# KiCad board bitaxeUltra.kicad_pcb (continued)
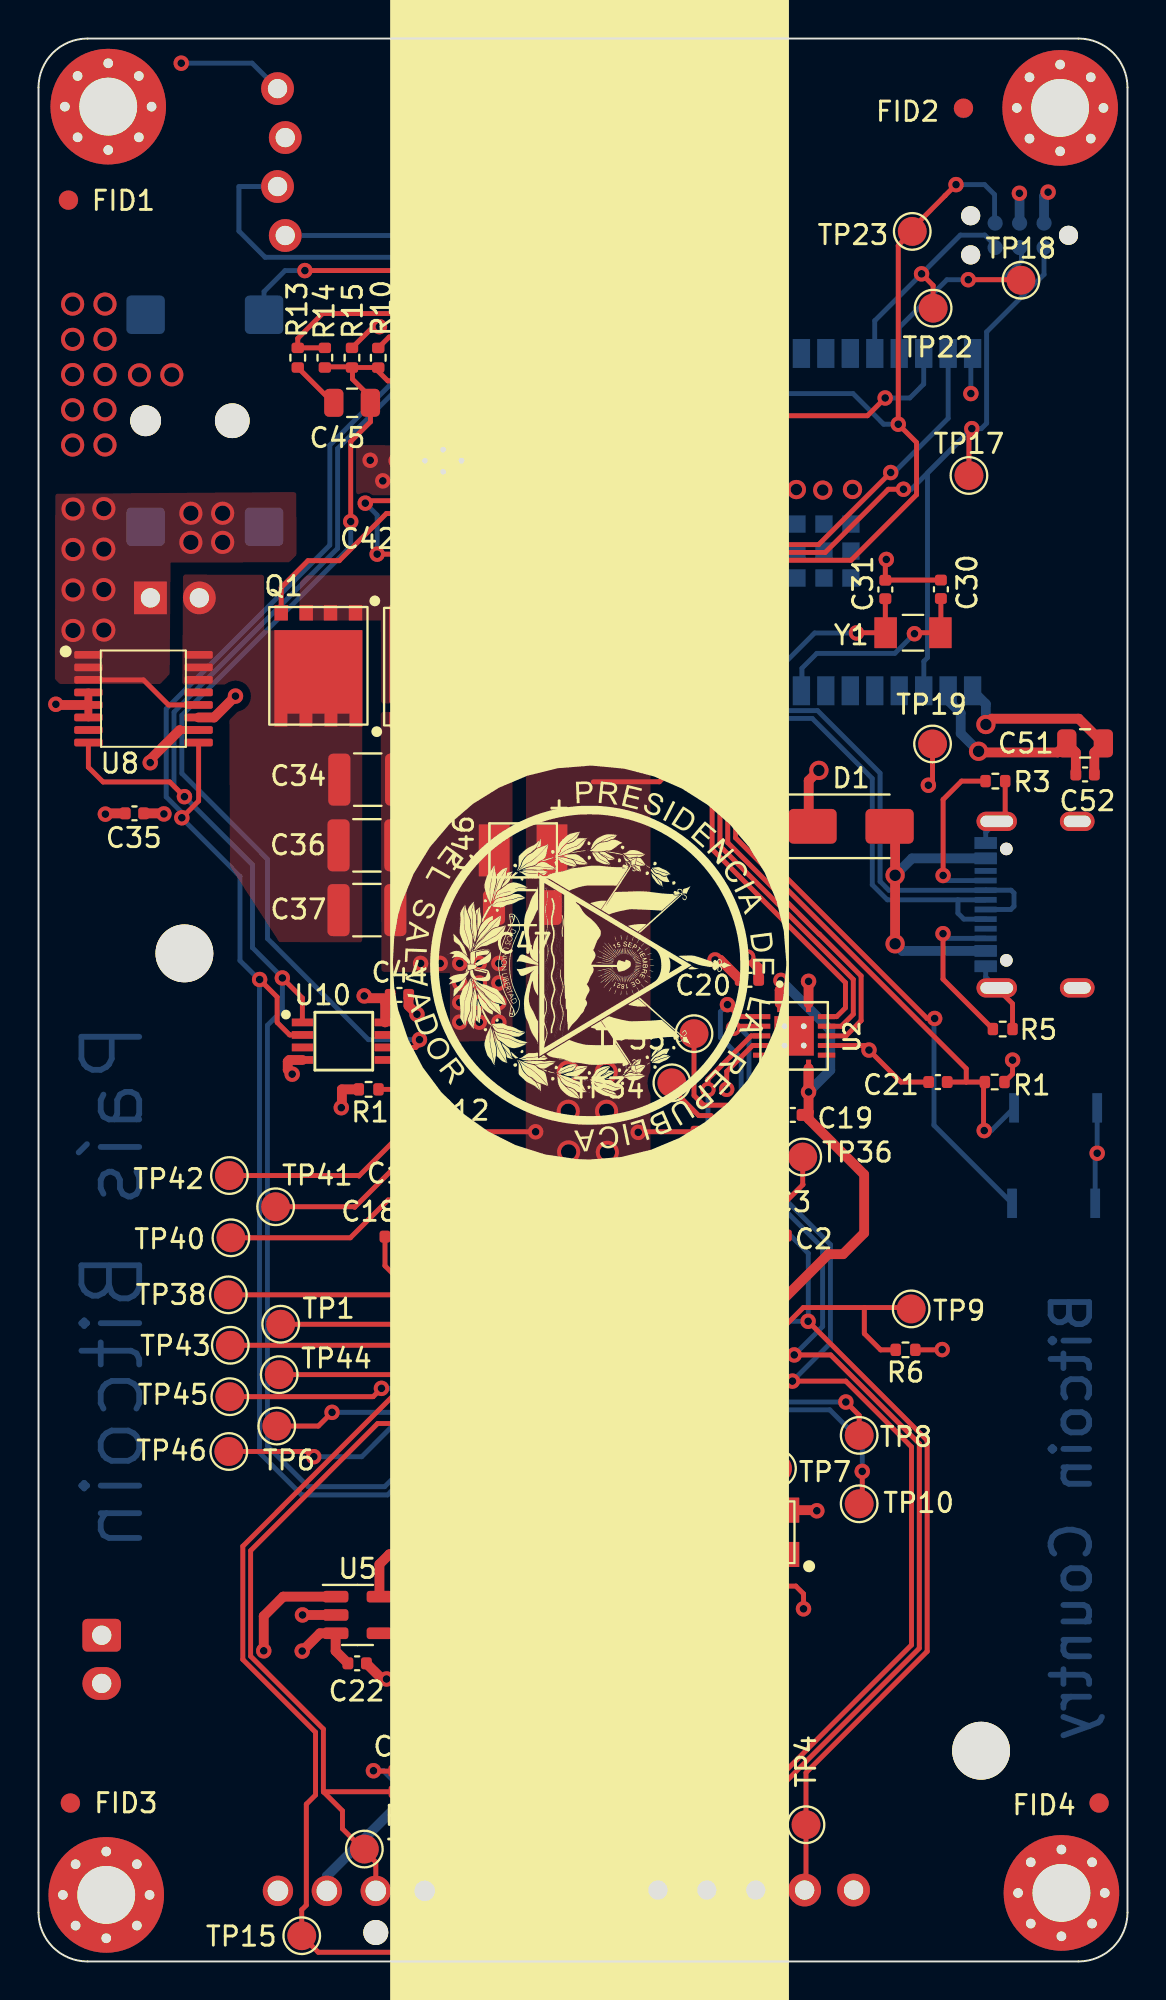
[diagram p0: board, top side]
## Footprints (pads in the part's own frame, mm; a bottom-side part is the same pattern mirrored in y, then rotated) (continued)
O 25,0-JO32-B-1V3-1-T1-LF
  rect 1.3x1.1 smd: 1(-1.15,-0.95) 2(1.15,-0.95) 3(1.15,0.95) 4(-1.15,0.95)
PinHeader_1x02_P2.54mm_Vertical
  rect 1.7x1.7 hole 1: 1(0,0)
  oval 1.7x1.7 hole 1: 2(0,-2.54)
PinHeader_1x04_P2.54mm_Vertical_shifted
  round 1.7 hole 1: 1(0.2,0)
  oval 1.7x1.7 hole 1: 2(-0.2,-2.54) 3(0.2,-5.08) 4(-0.2,-7.62)
PinHeader_1x05_P2.54mm_Vertical
  rect 1.7x1.7 hole 1: 1(0,0)
  oval 1.7x1.7 hole 1: 2(0,-2.54) 3(0,-5.08) 4(0,-7.62) 5(0,-10.16)
R_0402_1005Metric
  rrect 0.54x0.64 smd: 1(-0.51,0) 2(0.51,0)
RT9080-33GJ5
  rect 0.953x0.559 smd: 1(-1.378,0.94) 2(-1.378,0) 3(-1.378,-0.94) 4(1.378,-0.94) 5(1.378,0.94)
SC32S-7PF20PPM
  rect 1.168x1.6 smd: 1(-1.422,0) 2(1.422,0)
SOT-23-5
  rrect 1.325x0.6 smd: 1(-1.137,0.95) 2(-1.137,0) 3(-1.137,-0.95) 4(1.137,-0.95) 5(1.137,0.95)
SOT-323_SC-70
  rect 0.7x0.45 smd: 1(-1,0.65) 2(-1,-0.65) 3(1,0)
SW_CS1213AGF260_CRS
  rect 0.508x1.524 smd: 1(-2.159,0) 2(2.159,0)
Tag-Connect_TC2030-IDC-NL_2x03_P1.27mm_Vertical
  round 0.991 hole 0.991 unplated: (-2.54,0) (2.54,-1.016) (2.54,1.016)
  round 0.787 smd: 1(-1.27,-0.635) 2(-1.27,0.635) 3(0,-0.635) 4(0,0.635) 5(1.27,-0.635) 6(1.27,0.635)
TestPoint_Pad_D1.5mm
  round 1.5 smd: 1(0,0)
TPS40305
  rrect 0.6x0.24 smd: 1(-1.4,1) 2(-1.4,0.5) 3(-1.4,0) 4(-1.4,-0.5) 5(-1.4,-1) 6(1.4,-1) 7(1.4,-0.5) 8(1.4,0) 9(1.4,0.5) 10(1.4,1)
  round 0.4 hole 0.3: 11(-0.575,0) 11(0,0.95) 11(0,-0.95) 11(0.575,0)
  custom 1.651x3.401 smd: 11(0,0)
TSSOP-8_3x3mm_P0.65mm
  rect 1.1x0.4 smd: 1(-2.15,0.975) 2(-2.15,0.325) 3(-2.15,-0.325) 4(-2.15,-0.975) 5(2.15,-0.975) 6(2.15,-0.325) 7(2.15,0.325) 8(2.15,0.975)
TSSOP-16_4.4x5mm_P0.65mm
  rrect 1.475x0.4 smd: 1(-2.862,2.275) 2(-2.862,1.625) 3(-2.862,0.975) 4(-2.862,0.325) 5(-2.862,-0.325) 6(-2.862,-0.975) 7(-2.862,-1.625) 8(-2.862,-2.275) 9(2.862,-2.275) 10(2.862,-1.625) 11(2.862,-0.975) 12(2.862,-0.325) 13(2.862,0.325) 14(2.862,0.975) 15(2.862,1.625) 16(2.862,2.275)
TXB0104
  rrect 0.9x0.26 smd: 1(-1.685,-0.75) 7(1.685,-0.75) 8(1.685,0.75) 14(-1.685,0.75)
  rrect 0.26x0.9 smd: 2(-1,-1.685) 3(-0.5,-1.685) 4(0,-1.685) 5(0.5,-1.685) 6(1,-1.685) 9(1,1.685) 10(0.5,1.685) 11(0,1.685) 12(-0.5,1.685) 13(-1,1.685)
  rect 2.05x2.05 smd: 15(0,0)
  round 0.5 hole 0.3: 16(-0.5,0.5) 17(0.5,0.5) 18(0.5,-0.5) 19(-0.5,-0.5)
USB_C_Receptacle_GCT_USB4105-xx-A_16P_TopMnt_Horizontal
  round 0.65 hole 0.65 unplated: (-2.89,2.605) (2.89,2.605)
  rect 0.6x1.15 smd: A1(-3.2,3.68) A4(-2.4,3.68) A9(2.4,3.68) A12(3.2,3.68) B1(3.2,3.68) B4(2.4,3.68) B9(-2.4,3.68) B12(-3.2,3.68)
  rect 0.3x1.15 smd: A5(-1.25,3.68) A6(-0.25,3.68) A7(0.25,3.68) A8(1.25,3.68) B5(1.75,3.68) B6(0.75,3.68) B7(-0.75,3.68) B8(-1.75,3.68)
  oval 1x1.8 hole 0.6x1.4: S1(-4.32,-1.075) S1(4.32,-1.075)
  oval 1x2.1 hole 0.6x1.7: S1(-4.32,3.105) S1(4.32,3.105)

## Nets
/3V3: C20.1 C33.1 C35.1 C44.1 C49.1 C51.1 C52.1 J3#2.2 J5.2 R1.1 R2.2 R4.1 R7.1 R8.1 R9.2 TP19.1 U2.14 U7.1 U8.10 U10.8 U11.5 U12.2 U12.15
/5V: C22.1 C23.1 C27.1 C28.1 C29.1 C34.1 C36.1 C37.1 C38.1 D1.1 J2.2 J4.2 J7.2 Q1.5 U5.1 U5.3 U6.1 U6.3 U8.14 U8.15 U8.16 U9.1 U11.1 U11.3
/BM1366/0V8: C4.1 C25.1 TP14.1 U6.5 U14.13
/BM1366/1V8: C1.2 C5.1 C19.1 C24.1 J3.1 TP13.1 U1.1 U1.4 U2.1 U2.8 U5.5 U14.14
/BM1366/VDD1_0: C6.2 C8.1 TP34.1 U14.1
/BM1366/VDD1_1: C12.2 C15.1 TP42.1 U14.28
/BM1366/VDD2_0: C3.2 C6.1 TP35.1 U14.2
/BM1366/VDD2_1: C15.2 C17.1 TP41.1 U14.27
/BM1366/VDD3_0: C2.2 C3.1 TP36.1 U14.3
/BM1366/VDD3_1: C17.2 C18.1 TP40.1 U14.26
/Power/VIN: J1.1 J7.1 U8.1 U8.2 U8.3 U8.12
/VDD: C7.1 C8.2 C9.1 C10.1 C11.1 C12.1 C13.1 C46.1 C47.1 R13.1 R14.1 U12.38 U14.29
GND: C1.1 C2.1 C4.2 C5.2 C7.2 C9.2 C10.2 C11.2 C13.2 C14.2 C16.2 C18.2 C19.2 C20.2 C21.2 C22.2 C23.2 C24.2 C25.2 C27.2 C28.2 C29.2 C30.2 C31.2 C33.2 C34.2 C35.2 C36.2 C37.2 C38.2 C39.2 C43.2 C44.2 C46.2 C47.2 C49.2 C51.2 C52.2 H7.1 H8.1 H9.1 H10.1 J1.2 J2.1 J3.5 J3#2.1 J4.1 J5.4 J8.A1 J8.A12 J8.B1 J8.B12 J8.S1 Q2.1 Q2.2 Q2.3 Q4.2 R3.1 R5.1 R6.1 R12.2 R15.2 R16.2 SW1.1 SW2.1 TP5.1 U1.2 U2.5 U2.7 U2.10 U2.15 U2.16 U2.17 U2.18 U2.19 U5.2 U6.2 U7.5 U8.4 U8.5 U8.6 U8.11 U9.11 U10.4 U11.2 U12.1 U12.40 U12.41 U14.4 U14.12 U14.17 U14.25 U14.30
/BM1366/ADDR0: TP8.1 U14.10
/BM1366/ADDR1: TP10.1 U14.11
/BM1366/BI: R6.2 TP9.1 U14.6
/BM1366/BO: TP1.1 U14.23
/BM1366/CI: J3.2 TP2.1 U2.3 U14.9
/BM1366/CLKI: TP7.1 U1.3 U14.8
/BM1366/CLKO: TP44.1 U14.21
/BM1366/CO: TP45.1 U14.20
/BM1366/INV_CLKO: TP6.1 U14.19
/BM1366/NRSTO: TP38.1 U14.24
/BM1366/PIN_MODE: TP46.1 U14.18
/BM1366/RI: TP43.1 U14.22
/BM1366/RO: J3.3 TP3.1 U2.2 U14.7
/BM1366/RST_N: J3.4 TP4.1 U2.4 U14.5
/ESP32/EN: C21.1 J5.1 R1.2 SW1.2 TP17.1 U12.3
/ESP32/IO0: J5.6 SW2.2 TP23.1 U12.27
/ESP32/P_RX: J5.5 TP22.1 U12.36
/ESP32/P_TX: J5.3 TP18.1 U12.37
/ESP32/PWR_EN: Q4.1 R7.2 U12.18
/ESP32/XIN32: C30.1 U12.8 Y1.1
/ESP32/XOUT32: C31.1 U12.9 Y1.2
/Fan/FAN_PWM: J4.4 R9.1 TP15.1 U7.4
/Fan/FAN_TACH: J4.3 R2.1 TP16.1 U7.6
/PLUG_SENSE: J1.3 R8.2 U12.20
/Power/OUT0: C40.2 C45.2 R10.2 R14.2 R15.1 U9.5 U10.6
/Power/OUT1: U10.7
/Power/PGOOD: R4.2 U9.3 U12.19
/Power/SW: C42.2 Q1.1 Q1.2 Q1.3 Q2.5 U9.8
/RST: U2.11 U12.39
/RX: U2.13 U12.11
/SCL: J3#2.3 U7.8 U8.9 U10.2 U12.25
/SDA: J3#2.4 U7.7 U8.8 U10.1 U12.24
/TX: U2.12 U12.10
Net-(C41-Pad2): C41.2 R10.1
Net-(C45-Pad1): C45.1 R13.2
Net-(D1-Pad2): D1.2 J8.A4 J8.A9 J8.B4 J8.B9
Net-(J8-CC1): J8.A5 R3.2
Net-(J8-CC2): J8.B5 R5.2
Net-(Q1-G): Q1.4 U9.7
Net-(Q2-G): Q2.4 R12.1 U9.9
Net-(Q4-D): C39.1 Q4.3 U9.2
Net-(U9-BOOT): C42.1 U9.6
Net-(U9-BP): C43.1 U9.10
Net-(U9-COMP): C40.1 C41.1 U9.4
Net-(U10-FS0): R16.1 U10.5
Net-(U12-GPIO19/U1RTS/ADC2_CH8/CLK_OUT2/USB_D-): J8.A7 J8.B7 U12.13
Net-(U12-GPIO20/U1CTS/ADC2_CH9/CLK_OUT1/USB_D+): J8.A6 J8.B6 U12.14
Net-(U14-VDDIO_08_1): C16.1 U14.16
Net-(U14-VDDIO_18_1): C14.1 U14.15

Pads without a net: J8 A8 B8; U2 6 9; U5 4; U6 4; U7 2 3; U8 7 13; U10 3; U11 4; U12 4 5 6 7 12 16 17 21 22 23 26 28 29 30 31 32 33 34 35

## Via types
v1: diameter 0.8, hole 0.4, Top to Bottom, 158 vias
v2: diameter 1.2, hole 0.8, Top to Bottom, 33 vias
v3: diameter 1, hole 0.6, Top to Bottom, 9 vias

## Routing (per net, layer and track width the routed paths; a pad name or vN(x,y) marks a point on that pad's centre or on a via; arc(x,y) is an arc through that point)
/3V3: length 73.3
  Top w0.254: 19.41,8.78 20.89,8.78 v1(21.47,9.37) ; R8.1 36.58,78.45 v1(36.56,78.47) ; U7.1 25.18,36 C33.1 ; v1(50.58,46.76) 50.58,46.04 R1.1 ; TP19.1 46.42,61.24 v1(46.21,61.02) ; R4.1 33.28,74.27 v1(33.31,74.23) 32.39,74.23 32.15,73.99 R7.1
  Top w0.4: 7.33,63.89 U8.10
  Top w0.508: v3(48.81,62.78) 48.87,62.72 52.92,62.72 C51.1 53.86,62.72 C52.1 ; v1(6.51,59.53) 6.48,59.56 C35.1 ; v1(23.9,38.27) R9.2 24.94,36.24 C33.1 ; C49.1 38.3,85.94 38.3,84.84 ; 18,48.72 18,49.72 18.25,49.97 17.03,49.97 v1(16.91,50.09) ; v1(36.82,52.11) 37.39,51.54 C20.1 ; v1(5.8,62.19) 5.8,62.36 7.33,63.89 ; v1(39.98,50.85) U2.14
  Top w1: U11.5 38.3,84.84
  In2.Cu w1.5: 33.97,92.35 31.64,94.68 12.87,94.68 J3#2.2
  Bottom w0.254: U12.15 32.09,67.69 34.61,70.21 34.61,72.93 v1(33.31,74.23)
  Bottom w0.508: U12.2 47.23,65.42 47.88,64.77 47.88,63.71 v3(48.81,62.78) ; v1(52.42,91.79) 52.21,91.58 J5.2
  vias: v1(38.27,84.87)
/5V: length 217.6
  Top w0.254: U11.3 33.86,82.83 C27.1 ; 22.89,80.51 22.01,79.64 U9.1 ; v1(17.39,9.89) 17.41,9.87 C29.1 ; C38.1 23.72,80.07 v1(23.28,80.51)
  Top w0.508: 39.99,58.89 39.99,61.26 v3(40.52,61.79) ; U6.1 23.49,17.99 23.48,17.98 21.92,17.98 21.26,17.32 v1(21.26,16.08) 21.27,16.09 U6.3 23.99,15.05 24.37,14.67 ; v2(31.03,86.1) 31.03,85.03 33.09,82.96 U11.3 ; C22.1 15.43,16.1 U5.3 14.62,17.03 v1(13.69,16.1) ; v1(11.69,16.12) 11.69,17.92 12.7,18.93 U5.1
  Top w1: 34.02,85.28 32.78,85.28 31.97,86.1 v2(31.03,86.1)
  In2.Cu w0.508: 8.55,12.36 8.56,12.38 8.56,12.99 11.66,16.08 v1(21.26,16.08) ; v3(40.52,61.79) 38.93,63.39 32.65,63.39 32.11,63.92 32.11,73.37 30.18,75.3 30.18,85.25 v2(31.03,86.1)
  In2.Cu w1: 23.3,80.53 23.3,83.14
  In2.Cu w1.5: J4.2 15.02,3.71 15.02,8.82 11.47,12.36 8.55,12.36 ; 8.55,12.36 6.49,14.42 J2.2 ; 8.55,12.36 8.55,21.07 1.85,27.77 1.85,60.94 8.35,67.45 J7.2 14.17,70.74 14.67,71.25 14.67,77.76 20.05,83.14 28.07,83.14 v2(31.03,86.1)
  Bottom w0.254: v1(17.39,9.89) 17.9,9.89 19.1,8.7 19.1,8.56
  Bottom w0.508: J4.2 14.97,4.42 18.37,7.82 18.37,7.83 19.1,8.56 C28.1
/BM1366/0V8: length 24.5
  Top w0.254: 28.35,17.69 28.74,18.08 TP14.1 ; C4.1 31.3,22.36 v1(31.28,22.34)
  Top w0.508: 28.35,17.69 28.05,17.99 U6.5 26.27,19.72 v1(26.34,19.79)
  Bottom w0.254: U14.13 32.52,28.45 32.95,28.03 32.95,22.77 32.53,22.34 v1(31.28,22.34) 27.2,22.34 26.34,21.48 v1(26.34,19.79)
/BM1366/1V8: length 94.1
  Top w0.254: 34.97,24.72 34.81,24.56 v1(32.27,24.56) ; U1.1 U1.4 ; 20.48,19.43 19.83,18.78
  Top w0.508: v1(39.98,45.11) U2.8 39.98,44.07 39.99,44.06 39.99,43.7 42.87,40.82 42.87,37.79 41.77,36.69 41.01,36.69 36.44,32.12 36.44,26.19 34.97,24.72 ; 35.29,21.11 35.29,24.4 34.97,24.72 ; 35.29,21.11 18.23,21.11 18.22,21.12 17.7,20.61 U5.5 19.46,18.93 19.57,18.82 ; 35.29,21.11 35.29,20.24 v1(34.94,19.89) ; 35.29,21.11 U1.4 37.06,21.1 37.06,19.82 37.41,19.47 ; 34.97,24.72 34.97,25.31 ; v1(38.55,50.9) 38.55,50.45 38.48,50.39 U2.1
  Bottom w0.254: U14.14 32.1,27.95 32.26,27.8 32.26,24.57 v1(32.27,24.56)
  Bottom w0.508: J3.1 32.16,17.11 v1(34.94,19.89) ; v1(39.98,45.11) 41.11,46.24 41.11,48.33 v1(38.55,50.9)
/BM1366/VDD1_0: length 16.2
  Top w0.254: 35.27,43.04 35.3,43.01 35.3,41.25 35.28,41.27 v1(34.06,41.27) ; C8.1 35.1,43.69 34.91,43.88 34.28,43.88 32.89,45.28 TP34.1
  Bottom w0.254: U14.1 33.68,34.48 33.68,34.48 34.06,34.85 v1(34.06,41.27)
/BM1366/VDD1_1: length 25.2
  Top w0.254: C15.1 21.63,41.57 C12.2 18.93,43.04 16.64,40.75 16.62,40.77 TP42.1 ; v1(21.41,40.07) 21.47,40.13 21.47,41.24
  Bottom w0.254: v1(21.41,40.07) 20.96,39.61 20.96,36.07 22.56,34.47 U14.28
/BM1366/VDD2_0: length 20.7
  Top w0.254: v1(35.34,39.48) 36.59,39.48 36.6,39.49 36.6,41.25 ; C6.1 36.41,41.27 36.41,44 35.99,44.42 34.54,44.42 34.04,44.93 TP35.1
  Bottom w0.254: U14.2 34.44,33.98 35.34,34.88 v1(35.34,39.48)
/BM1366/VDD2_1: length 20.3
  Top w0.254: C17.1 20.34,39.82 C15.2 18.53,41.24 16.42,39.13 16.4,39.15 TP41.1 ; v1(20.22,38.32) 20.22,39.47 20.19,39.5
  Bottom w0.254: U14.27 22.48,33.98 20.22,36.24 v1(20.22,38.32)
/BM1366/VDD3_0: length 14.8
  Top w0.254: v1(37.88,36.12) 37.87,36.13 C2.2 ; 37.9,37.63 37.9,39.49 ; C3.1 38.88,39.49 39.69,40.3 39.68,40.31 TP36.1
  Bottom w0.254: U14.3 35.23,33.47 v1(37.88,36.12)
/BM1366/VDD3_1: length 20.8
  Top w0.254: v1(18.94,36.36) 18.94,37.55 18.89,37.6 18.89,39.5 ; C17.2 18.15,39.5 16.19,37.54 TP40.1
  Bottom w0.254: U14.26 22.41,33.47 19.52,36.36 v1(18.94,36.36)
/Power/VIN: length 6.3
  Top w0.254: U8.3 5.45,66.49 6.75,65.19 U8.12
  vias: v2(1.79,75.35) v2(1.79,73.25) v2(1.79,71.15) v2(1.79,69.05) v2(3.39,75.37) v2(3.39,73.27) v2(3.39,71.17) v2(3.39,69.07) v2(7.91,75.13) v2(7.91,73.62) v2(9.56,75.13) v2(9.56,73.62)
/VDD: length 71.5
  Top w0.254: R14.1 R13.1 13.46,84.2 14.75,85.49 26.92,85.49 28.5,85.49 33.8,80.19 35.32,80.19 ; 33.97,43.04 31.17,43.04 v1(31.14,43.01) ; 35.32,80.19 43.04,80.19 v1(43.96,81.11) ; 35.32,80.19 36.55,80.19 37.43,79.31 37.43,74.54 34.93,72.04 34.93,70.16 33.95,69.18 33.95,62.91 32.24,61.2 28.81,61.2 ; v1(25.81,43.04) 22.76,43.04
  Bottom w0.254: U12.38 45.96,81.83 45.24,81.11 v1(43.96,81.11)
  vias: v1(26.94,34.17) v1(27.96,33.39) v1(28.99,34.17) v1(30.02,33.36) v2(27.51,46.15) v2(27.51,44.11) v2(27.53,42) v2(27.56,39.98) v2(29.48,46.13) v2(29.5,44.11) v2(29.54,41.98) v2(29.54,40.01)
GND: length 147.5
  Top w0.254: v1(39.72,18.29) 39.72,19.07 39.32,19.47 38.71,19.47 ; U2.10 42.89,47.52 v1(43.12,47.28) 44.78,45.62 C21.2 ; v1(44.02,72.74) 43.97,72.69 C31.2 43.98,71.67 C30.2 ; v1(35.79,16.02) 34.69,17.12 TP5.1 ; R6.1 46.91,31.73 v1(46.92,31.74) ; v1(38.38,45.1) 37.94,44.65 37.94,44.22 38.25,43.92 C19.2 ; v1(18.92,35.16) 17.99,36.09 C18.2 ; C29.2 20.31,10.77 v1(21.49,10.77) ; 34.97,28.48 34.97,28.48 C5.2 ; v1(23.66,74.15) 23.65,74.16 R12.2 ; C43.2 27.73,78.7 28.42,79.39 C39.2 ; v1(33.67,25.45) 33.67,25.45 C4.2 ; C2.1 38.83,35.65 v1(37.91,34.73) ; J8.S1 50.19,59.59 R3.1 ; v1(22.2,24.56) 24.05,24.56 24.94,25.45 C16.2 ; J8.S1 50.58,49.69 R5.1 ; v1(17.7,84.81) 17.38,84.81 R15.2 ; v1(35.73,45.25) 35.73,46.18 37.08,47.52 U2.5 ; Q4.2 35.05,78.15 v1(35.27,77.93) ; v1(20.36,24.54) 20.36,25.24 20.62,25.5 C14.2
  Top w0.4: U8.4 U8.5 U8.6
  Top w0.508: v1(13.71,17.97) 13.71,17.98 U5.2 ; 35.32,83.52 35.32,81.85 C27.2 ; 35.32,83.52 35.32,86.03 v1(35.32,86.03) 35.62,86.33 36.91,86.33 C49.2 ; 35.32,83.52 34.94,83.91 34,83.91 U11.2 ; 19.57,17.52 19.57,16.01 19.59,15.99 18.27,14.66 17.83,14.66 17.02,15.47 ; U10.4 13.03,46.77 12.94,46.68 12.94,46.26 v1(13.17,46.03) ; v1(40.41,23.38) 40.38,23.41 U1.2 ; v1(38.38,45.1) 38.38,46.24 U2.7 ; 25.67,14.67 27.85,14.67 28.35,15.17 28.35,16.39 ; v1(19.65,49.14) 19.21,49.58 19.21,49.97 ; v1(0.9,65.22) 0.94,65.19 U8.5 ; v1(3.47,59.52) 3.51,59.56 C35.2 ; v3(49.19,64.17) 49.49,64.47 54.01,64.47 C51.2 54.82,62.72 C52.2 ; v1(15.72,44.29) 15.75,44.32 15.75,45.24 R16.2 ; U6.2 v1(27.24,17.04) ; C20.2 35.4,51.96 v1(35.13,51.96) ; v1(24.89,38.22) 24.94,38.17 C33.2 ; U8.11 9.12,64.54 v1(10.23,65.65)
  Bottom w0.254: J3#2.1 11.09,98.48 v1(7.41,98.48) ; U14.25 22.21,32.97 20.03,35.16 v1(18.92,35.16) ; 54.87,39.33 54.87,41.83 v1(54.97,41.93) SW1.1 ; U14.4 36.15,32.97 v1(37.91,34.73) ; J8.A1 49.18,58.57 J8.S1 ; U14.12 32.97,28.96 33.67,28.25 v1(33.67,25.45) ; v1(48.41,81.34) 48.41,83.33 U12.40 ; v3(40.72,76.33) 40.78,76.27 ; v1(22.2,24.56) 22.2,27.98 23.19,28.97 U14.17 ; v3(42.27,76.37) 42.18,76.29 ; J8.A12 49.18,51.08 J8.S1
  Bottom w0.508: v3(23.58,1.39) 23.58,2.24 24.5,3.16 C28.2 ; J5.4 50.94,91.72 v1(50.93,91.73) ; v3(49.19,64.17) 49.19,65.23 U12.1
  vias: v1(17.22,77.88) v1(17.88,76.81) v1(18.07,14.65) v1(18.57,77.85) v1(19.84,51.78) v1(20.86,51.78) v1(21.87,51.78) v1(21.87,50.76) v1(21.87,49.75) v1(21.87,48.73) v1(22.89,51.78) v1(22.89,50.76) v1(22.89,49.75) v1(22.89,48.73) v1(23.61,76.71) v1(23.9,51.78) v1(23.9,50.76) v1(23.9,49.75) v1(23.9,48.73) v1(24.59,75.88) v1(25.44,76.72) v1(26.4,75.87) v1(26.89,31.85) v1(26.94,29.81) v1(27.64,75.89) v1(27.68,30.9) v1(27.67,28.72) v1(28.14,14.96) v1(28.43,31.88) v1(28.48,29.84) v1(29.22,30.93) v1(29.21,28.75) v1(29.91,31.88) v1(29.96,29.84) v2(1.77,85.98) v2(1.77,84.16) v2(1.77,82.33) v2(1.77,80.5) v2(1.77,78.67) v2(3.45,85.99) v2(3.45,84.16) v2(3.45,82.33) v2(3.45,80.5) v2(3.45,78.68) v2(5.24,82.31) v2(6.92,82.32) v3(39.35,76.36)
/BM1366/ADDR0: length 13
  Top w0.254: TP8.1 42.61,28.33 v1(41.92,29.02)
  Bottom w0.254: U14.10 36.83,29.96 37.77,29.02 v1(41.92,29.02)
/BM1366/ADDR1: length 15.7
  Top w0.254: v1(42.77,25.42) 42.77,23.9 TP10.1
  Bottom w0.254: v1(42.77,25.42) 42.77,26.93 41.09,28.62 37.6,28.62 36.76,29.46 U14.11
/BM1366/BI: length 18.2
  Top w0.254: 42.88,33.92 42.88,32.58 43.73,31.73 R6.2 ; 42.88,33.92 39.71,33.92 38.35,32.56 v1(38.35,32.5) ; 42.88,33.92 45.24,33.92 TP9.1
  Bottom w0.254: U14.6 37.82,31.97 v1(38.35,32.5)
/BM1366/BO: length 13.7
  Top w0.254: v1(19.81,33.46) 19.41,33.06 TP1.1
  Bottom w0.254: v1(19.81,33.46) 21.3,31.97 U14.23
/BM1366/CI: length 67.5
  Top w0.254: v1(39.15,30.11) 41.91,30.11 45.33,26.69 45.33,16.42 38.78,9.87 36.05,9.87 34.7,8.52 TP2.1 J3.2 ; U2.3 36.19,48.52 v1(36.08,48.41)
  Bottom w0.254: U14.9 36.9,30.46 37.26,30.11 v1(39.15,30.11) 41.12,32.08 41.12,37.19 36.89,41.42 36.89,47.94 36.42,48.41 v1(36.08,48.41)
/BM1366/CLKI: length 15.3
  Top w0.254: TP7.1 37.07,25.57 37.05,25.59 ; 37.05,25.59 U1.3 ; 37.05,25.59 37.05,30.18 v1(37.66,30.79)
  Bottom w0.254: U14.8 37.48,30.96 v1(37.66,30.79)
/BM1366/CLKO: length 13.4
  Top w0.254: TP44.1 18.39,30.44 v1(19.08,31.13)
  Bottom w0.254: U14.21 19.24,30.97 v1(19.08,31.13)
/BM1366/CO: length 16.1
  Top w0.254: v1(17.81,29.73) 17.38,29.3 TP45.1
  Bottom w0.254: U14.20 19.91,30.46 19.18,29.73 v1(17.81,29.73)
/BM1366/INV_CLKO: length 14
  Top w0.254: v1(15.24,28.49) 14.53,27.78 TP6.1
  Bottom w0.254: U14.19 19.99,29.97 18.51,28.49 v1(15.24,28.49)
/BM1366/NRSTO: length 16.5
  Top w0.254: v1(19.78,34.45) 18.48,34.45 18.34,34.58 TP38.1
  Bottom w0.254: v1(19.78,34.45) 21.75,32.47 U14.24
/BM1366/PIN_MODE: length 17.1
  Top w0.254: v1(14.29,26.19) 14.02,26.46 TP46.1
  Bottom w0.254: v1(14.29,26.19) 16.78,26.19 20.06,29.47 U14.18
/BM1366/RI: length 16.1
  Top w0.254: TP43.1 19.18,31.97 v1(19.59,32.37)
  Bottom w0.254: U14.22 20.49,31.47 v1(19.59,32.37)
/BM1366/RO: length 66.2
  Top w0.254: U2.2 36.39,49.02 v1(35.77,49.64) ; J3.3 37.22,3.72 TP3.1 37.22,7.74 45.74,16.25 45.74,26.86 41.13,31.47 v1(39.24,31.47)
  Bottom w0.254: U14.7 v1(39.24,31.47) 40.71,32.94 40.71,37.02 36.49,41.25 36.49,46.86 35.4,47.94 35.4,49.27 v1(35.77,49.64)
/BM1366/RST_N: length 62.1
  Top w0.254: v1(34.76,45.23) 34.76,45.78 37,48.02 U2.4 ; J3.4 39.85,3.77 TP4.1 39.85,9.8 46.14,16.09 46.14,27.03 v1(39.96,33.21)
  Bottom w0.254: U14.5 36.44,32.47 37.18,33.21 v1(39.96,33.21) 39.97,33.22 39.97,36.74 34.76,41.95 v1(34.76,45.23)
/ESP32/EN: length 81.2
  Top w0.254: C21.1 48.17,45.62 ; 48.17,45.62 48.17,46.32 36.19,58.29 36.19,71.58 37.72,73.1 40.85,73.1 44.13,76.38 v1(44.91,76.38) ; 48.17,45.62 49.14,45.62 R1.2 49.07,45.56 49.07,43.14 v1(49.1,43.11) ; v1(48.46,79.52) 48.31,79.37 TP17.1
  Bottom w0.254: v1(44.91,76.38) 45.32,76.38 v1(48.46,79.52) ; v1(48.46,79.52) 46.16,77.22 46.16,67.64 45.97,67.45 45.97,66.15 ; v1(48.46,79.52) 48.95,79.52 49.23,79.8 49.23,84.54 52.21,87.52 J5.1 ; v1(49.1,43.11) 49.47,43.11 SW1.2
/ESP32/IO0: length 85.6
  Top w0.254: v1(47.64,92.18) 47.07,91.61 47.07,91.61 45.37,89.9 TP23.1 ; 45.4,89.79 44.64,89.03 v1(44.64,79.75) 45.59,78.8 45.59,76.1 42.19,72.69 37.89,72.69 36.61,71.42 36.61,58.45 46.14,48.92 v1(46.53,48.92)
  Bottom w0.254: 49.77,90.2 49.64,90.33 49.64,91.66 49.12,92.18 v1(47.64,92.18) ; U12.27 31.99,81.97 32.62,81.34 42.29,81.34 43.88,79.75 v1(44.64,79.75) ; v1(46.53,48.92) 46.49,48.88 46.49,43.39 SW2.2
/ESP32/P_RX: length 12.2
  Top w0.254: TP22.1 46.45,86.95 v1(45.85,87.55)
  Bottom w0.254: 49.77,88.93 49.14,89.56 47.86,89.56 v1(45.85,87.55) 43.42,85.12 U12.36
/ESP32/P_TX: length 12.6
  Top w0.254: v1(48.28,87.25) 50.98,87.25 TP18.1
  Bottom w0.254: 51.04,88.93 51.04,88.22 50.07,87.25 v1(48.28,87.25) 47.17,87.25 44.69,84.77 U12.37
/ESP32/PWR_EN: length 10.9
  Top w0.254: R7.2 33.17,72.25 v1(33.8,71.62) 33.94,71.62 34.87,72.55 34.87,76.58 34.6,76.85 Q4.1
  Bottom w0.254: U12.18 33.68,71.5 v1(33.8,71.62)
/ESP32/XIN32: length 10.9
  Top w0.254: C30.1 46.85,68.96 Y1.1 45.53,68.93 v1(45.48,68.88)
  Bottom w0.254: 39.64,65.95 39.64,67.09 40.41,67.86 44.46,67.86 v1(45.48,68.88)
/ESP32/XOUT32: length 9.2
  Top w0.254: v1(42.47,68.92) 42.48,68.93 Y1.2 43.97,68.95 43.97,70.7
  Bottom w0.254: v1(42.47,68.92) 40.3,68.92 38.37,66.99 38.37,65.95
/Fan/FAN_PWM: length 51.9
  Top w0.254: U7.4 23.23,34.39 23.08,34.54 ; J4.4 20.05,1.49 19.04,0.48 14.53,0.48 TP15.1 13.67,2.68 13.91,2.92 13.91,8.16 14.38,8.64 14.38,11.89 10.61,15.67 10.61,21.54 23.08,34.02 23.08,34.54 ; 23.08,34.54 23.76,35.22 R9.1
/Fan/FAN_TACH: length 40.6
  Top w0.254: R2.1 14.83,8.8 14.81,8.78 ; U7.6 23.88,28.18 23.61,27.91 17.61,27.91 11.01,21.31 11.01,15.83 14.79,12.06 14.79,8.81 14.81,8.78 ; 14.81,8.78 15.78,7.81 15.78,6.88 17.51,5.15 J4.3
/PLUG_SENSE: length 38.4
  Top w0.254: R8.2 36.61,76.3 v1(36.61,75.29) ; v1(13.83,87.72) 23.93,87.72 v1(25.25,86.4)
  Bottom w0.254: v1(13.83,87.72) 12.8,87.72 11.71,86.63 J1.3 ; v1(25.25,86.4) 25.26,86.39 25.26,79.82 28.58,76.5 28.58,75.19 29.74,74.04 U12.20 31.85,74.04 33.1,75.29 v1(36.61,75.29)
/Power/OUT0: length 55.9
  Top w0.254: 14.95,82.73 16.27,82.73 16.3,82.7 16.3,82.09 17.23,81.16 C45.2 17.23,79.88 16.21,78.85 v1(16.21,74.7) ; U9.5 20.01,80.08 19.24,80.85 C40.2 19.23,82 18.14,82 17.64,82.5 R10.2 17.64,82.69 R15.1 ; v1(19.78,47.82) 19.78,47.61 19.59,47.42 18,47.42
  Bottom w0.254: v1(19.78,47.82) 17.13,47.82 11.89,53.06 11.89,57.19 7.44,61.64 7.44,64.65 16.21,73.42 v1(16.21,74.7)
/Power/PGOOD: length 27.2
  Top w0.254: 29.26,74.62 31.06,76.41 31.06,80.18 29.42,81.81 22.77,81.81 21.01,80.06 21.01,79.29 ; 29.26,74.62 30.17,75.52 R4.2 ; 29.26,74.62 28.39,73.74 v1(27.75,73.74)
  Bottom w0.254: U12.19 28.68,72.77 27.75,73.69 v1(27.75,73.74)
/Power/SW: length 5.4
  Top w0.254: 19.98,71.49 19.96,71.51 C42.2 21.01,75.21 U9.8
/RST: length 46.2
  Top w0.254: 44.23,77.24 40.5,73.51 37.55,73.51 35.79,71.74 35.79,58.04 40.52,53.31 40.54,53.31 42.71,51.13 42.71,48.81 41.92,48.02 U2.11
  Bottom w0.254: v1(44.25,77.25) 44.42,77.25 47.23,80.06 U12.39
/RX: length 25.7
  Top w0.254: v1(34.7,68.09) 34.98,67.82 34.98,57.7 41.9,50.78 41.9,49.47 41.44,49.02 U2.13
  Bottom w0.254: v1(34.7,68.09) 35.28,68.09 35.8,67.57 U12.11
/SCL: length 127.4
  Top w0.254: U10.2 13.04,48.07 12.39,48.72 12.39,50.03 v1(11.48,50.94) ; U8.9 8.31,60.21 v1(7.44,59.34) ; U7.8 25.18,27.64 24.17,26.62 20.54,26.62 v1(20.52,26.61)
  Bottom w0.254: U12.25 29.7,80.39 29.42,80.66 29.42,86.46 27.86,88.02 24.48,88.02 21.88,85.42 ; J3#2.3 10.4,92.08 10.4,89.78 11.77,88.41 18.89,88.41 21.88,85.42 ; 21.88,85.42 15.12,78.67 15.12,73.48 6.63,64.99 6.63,60.42 7.44,59.61 v1(7.44,59.34) 7.44,59.31 10.46,56.29 10.46,51.92 11.44,50.94 v1(11.48,50.94) 11.48,50.94 11.48,26.39 13.67,24.2 18.12,24.2 v1(20.52,26.61)
/SDA: length 126.9
  Top w0.254: v1(12.66,51.02) 13.7,49.98 13.7,48.72 ; v1(19.47,26.62) 20.24,27.4 24,27.4 24.53,27.93 U7.7 ; v1(27.71,86.59) 27.71,88.58 v1(27.11,89.18) ; v1(7.58,60.43) 6.81,61.19 3.35,61.19 2.59,61.96 U8.8
  Bottom w0.254: v1(19.47,26.62) 19.47,26.13 17.97,24.63 13.99,24.63 11.89,26.74 11.89,48.57 12.66,49.34 v1(12.66,51.02) 12.66,51.04 11.11,52.59 11.11,56.89 7.58,60.43 v1(7.58,60.43) 7.04,60.97 7.04,64.82 15.53,73.31 15.53,78.49 24.42,87.38 26.92,87.38 v1(27.71,86.59) 28.32,86.59 28.96,85.95 28.96,80.15 29.99,79.12 U12.24 ; J3#2.4 26.75,89.54 v1(27.11,89.18)
/TX: length 40.4
  Top w0.254: U2.12 41.68,48.52 42.31,49.14 42.31,50.95 35.38,57.87 35.38,71.91 38.02,74.55 38.18,74.55 v1(38.29,74.44)
  Bottom w0.254: v1(38.29,74.44) 38.31,74.42 38.31,68.98 37.07,67.74 U12.10
Net-(C41-Pad2): length 1.9
  Top w0.254: R10.1 18.21,84.28 19.26,84.28 C41.2
Net-(C45-Pad1): length 2.6
  Top w0.254: C45.1 15.29,80.86 R13.2
Net-(D1-Pad2): length 16.1
  Top w0.508: 44.39,58.89 44.48,58.81 v3(44.48,56.35) v3(44.48,52.8)
  Bottom w0.508: v3(44.48,52.8) 44.85,52.43 J8.A9 ; J8.A4 45.35,57.23 v3(44.48,56.35)
Net-(J8-CC1): length 8.9
  Top w0.254: R3.2 47.93,61.24 46.97,60.28 v1(46.97,56.34)
  Bottom w0.254: v1(46.97,56.34) 47.23,56.08 J8.A5
Net-(J8-CC2): length 8.3
  Top w0.254: v1(46.97,53.32) 46.97,50.96 R5.2
  Bottom w0.254: v1(46.97,53.32) 47.21,53.08 J8.B5
Net-(Q1-G): length 11.9
  Top w0.254: Q1.4 12.6,71.28 13.99,72.67 15.62,72.67 18.06,75.12 20.02,75.12 20.52,75.62 20.52,76.45 U9.7
Net-(Q2-G): length 18
  Top w0.254: U9.9 21.5,76.45 21.5,74.2 R12.1 21.46,73.56 22.36,72.66 v1(25.44,72.66) ; v1(24.52,64.47) 22.47,64.47 Q2.4
  Bottom w0.254: v1(24.52,64.47) 24.89,64.84 24.89,72.11 v1(25.44,72.66)
Net-(Q4-D): length 23.5
  Top w0.254: v1(26.44,79.78) 27.41,79.78 C39.1 27.46,79.94 26.14,81.26 22.93,81.26 21.51,79.84 U9.2 ; v1(27.31,84.6) 28.03,84.6 32.18,80.45 Q4.3
  Bottom w0.254: v1(26.44,79.78) 26.44,83.73 v1(27.31,84.6)
Net-(U9-BOOT): length 8.7
  Top w0.254: v1(16.97,75.66) 17.09,75.78 19.74,75.78 20.01,76.06 U9.6 ; v1(17.58,73.01) 18.38,73.01 19,73.63 C42.1
  Bottom w0.254: v1(16.97,75.66) 17.58,75.04 v1(17.58,73.01)
Net-(U9-BP): length 12.3
  Top w0.254: U9.10 22.01,76.07 23.06,75.02 29.1,75.02 30.59,76.51 30.59,77.81 30.57,77.8 C43.1
Net-(U9-COMP): length 5.3
  Top w0.254: C41.1 21.14,84.26 C40.1 21.14,80.9 20.51,80.27 U9.4
Net-(U10-FS0): length 4.5
  Top w0.254: U10.5 19.22,46.77 19.52,46.46 19.52,45.63 19.13,45.24 R16.1
Net-(U12-GPIO19/U1RTS/ADC2_CH8/CLK_OUT2/USB_D-): length 27.5
  Bottom w0.254: 33.37,65.78 33.37,64.99 33.47,64.89 40.45,64.89 43.7,61.65 43.7,56.03 44.15,55.57 49.17,55.57 J8.B7 50.5,55.58 50.65,55.43 50.65,54.74 50.49,54.58 J8.A7
Net-(U12-GPIO20/U1CTS/ADC2_CH9/CLK_OUT1/USB_D+): length 27.8
  Bottom w0.254: 47.74,55.08 J8.A6 ; 47.74,55.08 47.74,54.38 48.05,54.08 J8.B6 ; 47.74,55.08 44.07,55.08 43.29,55.86 43.29,61.37 40.18,64.49 32.41,64.49 31.99,64.9 U12.14
Net-(U14-VDDIO_08_1): length 9.8
  Top w0.254: v1(22.97,23.62) 24.09,23.62 24.95,24.49 C16.1
  Bottom w0.254: U14.16 23.62,28.47 22.97,27.81 v1(22.97,23.62)
Net-(U14-VDDIO_18_1): length 5.7
  Top w0.254: 22,25.48 23.8,25.48 v1(23.83,25.51)
  Bottom w0.254: U14.15 24.37,27.97 23.83,27.43 v1(23.83,25.51)

## Copper pours and planes (outline as drawn; the poured copper is in the pictures)
/3V3 on In2.Cu: 57.47,93.23 57.08,6.2 52.15,-0.44 5.97,-0.41 -0.29,5.29 -0.36,27.03 1.29,27.48 1.3,63.03 9.22,62.97 9.25,50.23 32.74,50.26 33.05,93.23
/5V on Top: 16.81,52.87 12.5,52.88 9.94,56.83 9.9,66.25 7.47,66.23 7.5,71.95 11.71,71.94 11.72,69.06 16.81,69.06
/Power/VIN on Top: 13.38,76.23 13.4,72.91 13.03,72.59 6.85,72.57 6.81,66.79 6.32,66.27 1.1,66.27 0.85,66.53 0.87,76.14
/Power/VIN on Bottom: 13.38,76.25 0.86,76.21 0.86,68.32 6.82,68.28 6.84,72.56 13.03,72.55 13.39,72.91
/VDD on Top: 31.77,38.68 25.29,38.68 25.31,62.87 31.78,62.84
/VDD on Top: 35.67,37.96 35.64,32.82 23.78,32.84 23.81,38.03
/VDD on Bottom: 31.73,32.9 25.28,32.9 25.28,47.98 31.73,47.88
GND on Top: 28.36,74.97 22.73,74.98 22.74,77.02 19.21,77.03 19.19,75.79 15.98,75.74 16.12,78.67 28.32,78.64
GND on Top: 35.61,32.32 35.67,28.09 19.55,28.03 19.51,32.4
GND on Top: 21.48,63.45 24.61,63.52 24.61,47.78 21.36,47.72 21.36,51.27 17.8,51.35 17.77,64.82 21.47,64.83
GND on Bottom: 42.85,76.96 38.6,76.98 38.59,70.96 42.84,70.93
GND on Bottom: 8.25,86.9 8.28,77.93 0.9,77.95 0.91,86.92
GND on In1.Cu: 56.89,95.9 56.93,4.04 53.02,-0.28 5.34,-0.29 -0.38,4.87 -0.53,96.15 3.53,100.2 52.72,100.07
/Power/SW on Top: 32.36,65.26 17.78,65.26 17.77,69.58 13.54,69.58 13.57,71.57 13.91,71.91 32.38,71.91

## Text on the board
Bottom: Bitcoin Country | País Bitcoin
B.Mask: Bitcoin Country | País Bitcoin
B.Silkscreen: / 21M | GND | 5V | TAC | PWM | 1V8 | RXI | TXO | RST | ∞
